# Altium PCB Arribada-PMP-PCB.PcbDoc (part 3 of 4) (continued)
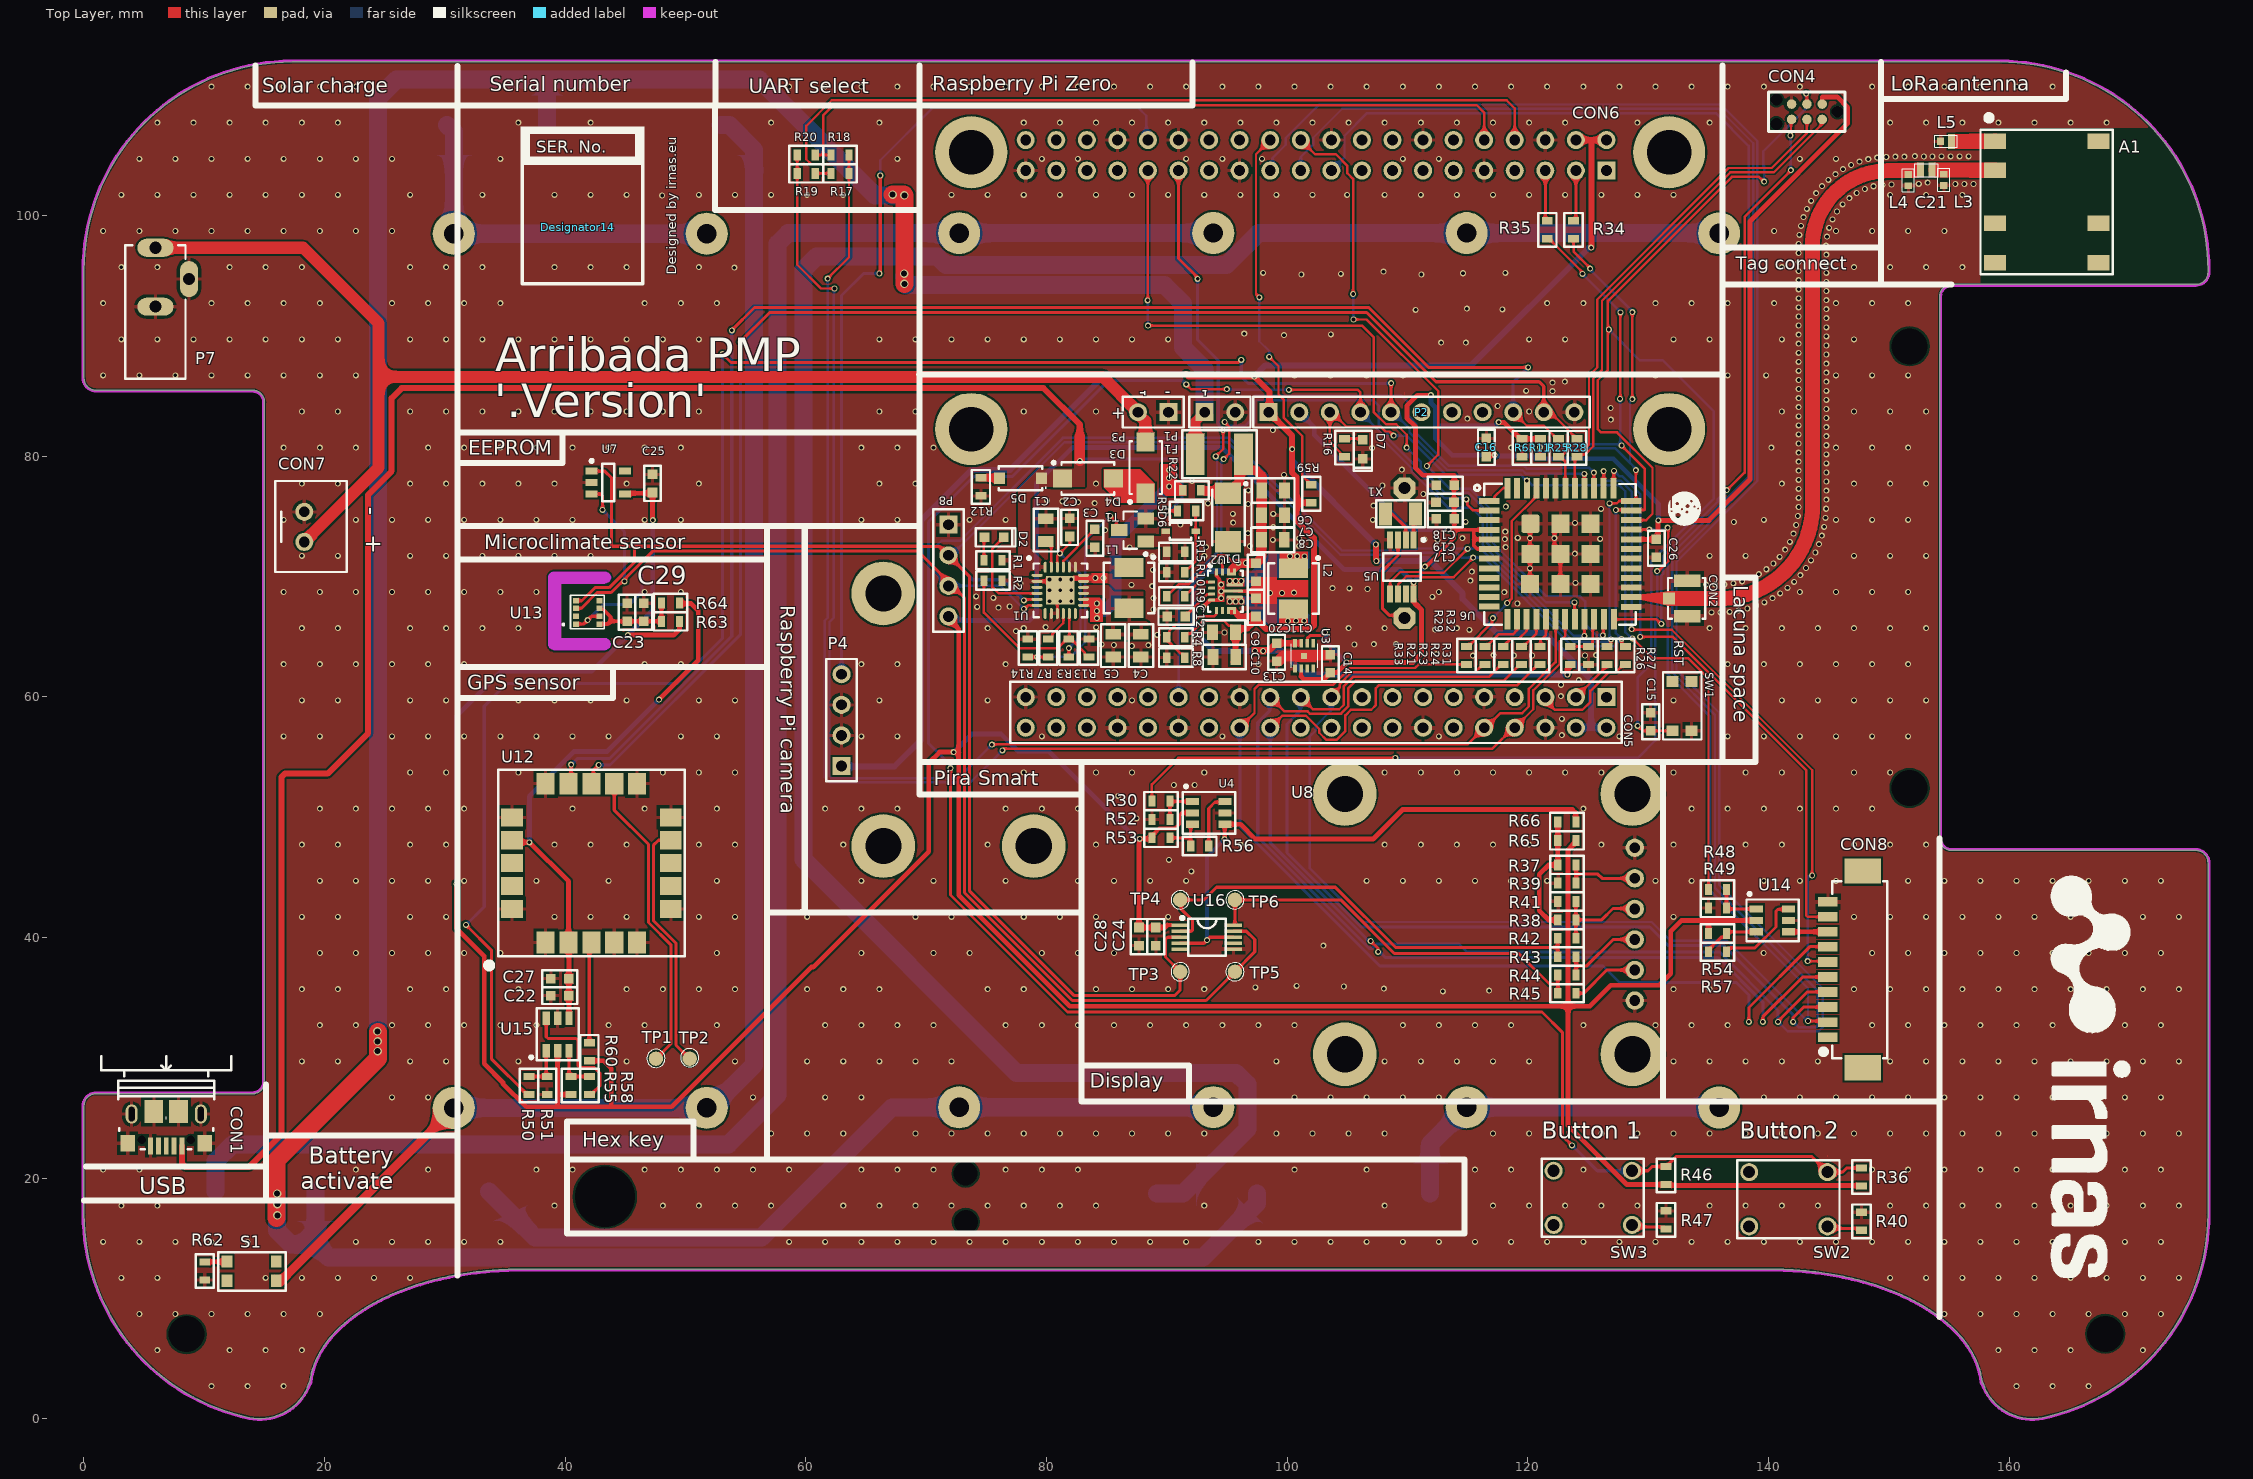
[diagram p0: Top Layer view]
## Nets (pads, with @x,y where several pads share a name; then routed paths per layer and width w, separated by ;. In a path a pad name is that pad's centre, name@x,y a point inside that pad or via, vN(x,y) a via of type N, cw(c..) or ccw(c..) an arc to the next point about the centre after c; other vN are vias at no path point) (continued)
  Bottom Layer w0.254: v1(72.015,54.071) 72.015,54.3 70.186,56.129 70.186,74.545 73.96,78.319 77.17,78.319 85.152,86.302 91.265,86.302 v1(91.606,85.961) ; v1(123.665,22.721) 125.773,20.613 SW3.4@128.641,20.613
GPIO_PB5: P2.5 R50.2 U6.40 | length 160.3
  Top Layer w0.203: v1(124.687,78.521) 124.697,78.511 124.697,77.346 U6.40@124.707,77.336
  Top Layer w0.254: v1(31.746,41.041) 33.885,38.902 33.885,29.89 36.827,26.948 R50.2@36.977,26.948 ; v1(53.076,88.481) 53.778,87.779 95.953,87.779 v1(96.176,88.001) ; P2.5@108.617,83.651 108.626,83.66 108.626,86.052 v1(108.636,86.061)
  Bottom Layer w0.203: P2.5@108.797,83.651 110.156,82.292 110.156,81.98 113.297,78.839 119.532,78.839 119.85,78.521 v1(124.687,78.521)
  Bottom Layer w0.254: v1(31.746,41.041) 33.266,42.561 33.266,59.222 35.159,61.115 49.299,61.115 53.076,64.892 v1(53.076,88.481) ; v1(96.176,88.001) 96.176,86.611 96.746,86.041 108.615,86.041 v1(108.636,86.061)
GPIO_PH0: P2.3 R16.2 R48.2 U6.46 | length 69.1
  Top Layer w0.2: 134.888,61.638 135.006,61.52 R48.2@135.006,43.983
  Top Layer w0.203: P2.3@103.537,83.651 103.537,81.161 104.399,80.3 104.399,80.15 104.597,79.951 R16.2@104.747,79.951 ; P2.3@103.717,83.651 104.927,82.441 107.759,82.441 108.15,82.05 108.495,82.05 v1(108.842,81.704) ; v1(128.678,64.861) 130.324,63.216 133.311,63.216 134.888,61.638
  Bottom Layer w0.203: v1(108.842,81.704) 109.92,81.704 113.159,78.465 119.403,78.465 v1(119.907,77.961) 119.961,77.961 120.326,77.596 127.576,77.596 128.087,77.085 128.087,65.372 128.598,64.861 v1(128.678,64.861)
GPS_FET_OUT: C22.1 C27.2 R64.2 U12.2 U12.17 U15.4 | length 46
  Top Layer w0.4: U12.17@35.571,48.081 35.74,47.911 v1(37.016,47.911) 40.271,44.656 U12.2@40.271,39.581 40.3,39.552 C27.2@40.3,36.575 40.298,36.573 40.298,35.173 C22.1@40.296,35.171 40.306,35.161 40.306,33.291 U15.4@40.316,33.281 ; v1(47.785,59.771) 51.045,63.031 51.045,67.161 50.455,67.751 49.495,67.751 R64.2@49.495,67.791
  Bottom Layer w0.4: v1(37.016,47.911) 37.016,51.743 40.734,55.461 43.475,55.461 v1(47.785,59.771)
GPS_RX: P2.9 R25.2 U12.14 | length 122.8
  Top Layer w0.203: P2.9@118.777,83.651 119.907,82.521 121.324,82.521 122.404,81.441 R25.2@122.554,81.441
  Top Layer w0.254: U12.14@40.271,52.781 40.486,52.995 v1(40.486,54.361) ; v1(53.836,90.461) 55.724,92.35 106.775,92.35 111.744,87.381 v1(120.026,87.381)
  Bottom Layer w0.254: v1(40.486,54.361) 40.985,54.861 43.672,54.861 53.678,64.867 ; 53.717,64.911 53.836,65.029 v1(53.836,90.461) ; P2.9@118.777,83.651 118.777,86.132 v1(120.026,87.381)
GPS_TX: P2.10 R28.2 U12.13 | length 118.5
  Top Layer w0.203: P2.10@121.317,83.651 121.866,83.651 R28.2@124.076,81.441
  Top Layer w0.254: U12.13@42.171,52.781 42.329,52.939 42.329,53.885 v1(42.776,54.331) ; v1(54.546,89.501) 56.988,91.944 106.593,91.944 112.355,86.181 120.936,86.181 121.317,85.8 P2.10@121.317,83.651
  Bottom Layer w0.254: v1(42.776,54.331) 43.717,54.331 54.546,65.159 v1(54.546,89.501)
LACUNA_FET_OUT: CON8.8 U14.4 | length 3.3
  Top Layer w0.4: U14.4@141.666,40.471 141.668,40.469 144.923,40.469 CON8.8@144.926,40.466
LCD_FET_OUT: R66.2 U4.4 U16.4 U16.8 | length 46.4
  Top Layer w0.3: U16.4@91.125,39.525 93.075,39.525 v1(93.325,39.775) 93.575,40.025 U16.8@95.525,40.025 ; v1(94.8,48.175) 94.8,49.38 U4.4@94.825,49.405
  Top Layer w0.4: U4.4@94.825,49.405 96.12,49.405 97.35,48.175 107.125,48.175 109.575,50.625 123.7,50.625 123.95,50.375 123.95,49.626 R66.2@123.985,49.591
  Bottom Layer w0.3: v1(93.325,39.775) 93.325,46.7 v1(94.8,48.175)
LORA_ANT: C21.2 CON2.1 L4.2 U6.26 | length 50.1
  Top Layer w1.25: CON2.1@131.738,68.171 135.922,68.171 ccw(c135.922,75.895) 143.646,75.895 143.646,97.441 cw(c149.926,97.441) 149.926,103.721 150.71,103.734 152.295,103.76
MCU_nRST: C15.1 CON4.3 SW1.4 U6.34 | length 93.2
  Top Layer w0.203: U6.34@128.597,74.676 129.817,74.676 130.353,75.212 130.353,79.033 127.415,81.971 126.076,81.971 125.806,82.241 125.806,86.309 126.65,87.153 126.65,90.525 126.65,91.915 126.65,92.907 136.954,103.211 139.206,103.211 139.606,102.811 v1(139.627,102.811) ; v1(129.114,57.589) 129.114,57.561 129.5,57.175 C15.1@130.2,57.175 132.002,57.175 SW1.4@132.005,57.178 ; v1(143.125,110.131) 143.182,110.074 143.182,109.959 143.185,109.956 CON4.3@143.185,109.256
  Bottom Layer w0.203: v1(126.725,90.525) 129.293,87.957 131.218,87.957 135.425,83.75 135.425,76.45 130.233,71.258 130.233,62.733 129.114,61.614 v1(129.114,57.589) ; v1(139.627,102.811) 139.627,104.085 139.566,104.147 139.566,105.341 143.125,108.9 v1(143.125,110.131)
NetA1_1: A1.1 L5.2 | length 3.2
  Top Layer w1.25: 155.575,106.161 158.808,106.161 A1.1@158.815,106.168
NetA1_2: A1.2 C21.1 L3.2 | length 4.9
  Top Layer w1.25: 153.915,103.768 A1.2@158.815,103.768
NetC1_1: C1.1 U1.23 | length 2.4
  Top Layer w0.203: C1.1@79.937,72.901 80.038,72.901 80.387,72.553 U1.23@80.387,70.776
NetC2_1: C2.1 R3.2 U1.22 | length 12.7
  Top Layer w0.203: U1.22@80.887,70.776 80.887,71.711 v1(81.102,71.926) 81.937,72.761 C2.1@81.937,73.301 ; R3.2@81.837,63.301 81.847,63.311 v1(81.847,64.051)
  Bottom Layer w0.203: v1(81.102,71.926) 82.817,70.211 82.817,65.001 81.867,64.051 v1(81.847,64.051)
NetC3_1: C3.1 L1.1 U1.19 U1.20
NetC3_2: C3.2 U1.21 | length 4.2
  Top Layer w0.203: U1.21@81.387,70.776 81.392,70.782 81.392,71.297 83.698,73.603 83.738,73.603 C3.2@84.037,73.901
NetC4_1: C4.1 C5.1 L1.2 U1.15 U1.16
NetC12_2: C12.2 U2.3 | length 3
  Top Layer w0.203: C12.2@91.487,66.651 91.785,66.95 91.785,66.952 93.34,68.508 93.691,68.508 U2.3@93.714,68.531
NetC23_1: C23.1 C29.2 R63.2 R64.1 U13.6 U13.8 | length 8.4
  Top Layer w0.3: U13.8@42.83,66.046 43.54,66.046 43.765,66.271 ; U13.6@42.83,67.346 42.905,67.271 43.152,67.271 43.765,66.659 43.765,66.271 ; R64.1@47.995,67.791 R63.2@47.995,66.271 47.991,66.275 C29.2@46.525,66.275 46.523,66.273 45.138,66.273 C23.1@45.136,66.271 43.765,66.271
NetCON3_POS: CON3.POS U5.3 | length 8.4
  Top Layer w0.254: U5.3@109.202,73.041 109.202,71.746 107.897,70.441 107.897,67.356 108.488,66.765 109.216,66.765 109.44,66.541 CON3.POS@109.747,66.541
NetCON5_3: CON5.3 R26.1 | length 3.8
  Top Layer w0.203: CON5.3@123.985,59.968 126.567,62.55 R26.1@126.567,62.681
NetCON5_5: CON5.5 R27.1 | length 9.6
  Top Layer w0.203: CON5.5@121.445,59.968 121.445,59.689 122.214,58.92 124.532,58.92 125.187,59.575 125.187,60.489 126.753,62.055 127.321,62.055 127.947,62.681 R27.1@128.097,62.681
  Top Layer w0.254: CON5.5@121.775,60.175 CON5.5@121.775,60.478
NetCON6_3: CON6.3 R34.2 | length 4.3
  Top Layer w0.254: R34.2@123.793,99.562 123.811,99.562 123.984,99.735 CON6.3@123.984,103.731
NetCON6_5: CON6.5 R35.2 | length 4.2
  Top Layer w0.254: CON6.5@121.444,103.731 121.444,99.732 R35.2@121.613,99.562
NetCON6_24: CON6.24 R59.1 | length 31
  Top Layer w0.2: v1(97.675,93.2) 97.4,93.475 97.4,105.088 CON6.24@98.584,106.271 ; v1(98.5,88.25) 99.275,87.475 99.275,85.125 99.7,84.7 99.7,83.225 101.25,81.675 101.25,78.375 R59.1@102,77.625
  Bottom Layer w0.2: v1(97.675,93.2) 97.675,89.55 98.5,88.725 v1(98.5,88.25)
NetD2_1: D2.1 U1.4 | length 8.5
  Top Layer w0.203: D2.1@76.437,73.251 75.497,72.311 75.497,69.111 76.007,68.601 U1.4@79.212,68.601
NetD2_2: D2.2 R1.2 | length 1.9
  Top Layer w0.203: R1.2@74.787,71.351 74.787,73.201 D2.2@74.837,73.251
NetD3_1: D3.1 D4.2
NetD5_2: D5.2 R12.2 | length 1.5
  Top Layer w0.635: R12.2@74.467,78.211 D5.2@75.967,78.211
NetD6_1: D6.1 R5.1 R10.2 | length 5.6
  Top Layer w0.203: R10.2@91.487,70.351 91.487,70.501 91.685,70.7 91.835,70.7 92.387,71.251 D6.1@92.387,73.751 R5.1@92.387,75.451
NetD6_2: D6.2 R15.2 T1.1
NetD7_2: D7.2 R16.1 | length 1.6
  Top Layer w0.203: R16.1@104.747,81.451 106.197,81.451 D7.2@106.277,81.371
NetL2_1: L2.1 U2.11
  other v1: 95.232,69.621 95.707,69.621 96.182,69.621 101.437,71.671 100.227,71.691 100.817,71.681
NetL2_2: L2.2 U2.9
  other v1: 100.047,66.301 100.727,66.311 101.397,66.311 95.232,67.921 95.707,67.921 96.182,67.921
NetP5_1: P5.1 P6.1 U9.1 | length 185.1
  Bottom Layer w1.5: U9.1@89.176,18.736 91.35,18.736 96.685,24.071 96.685,27.801 95.735,28.751 77.505,28.751 59.786,46.471 59.786,95.502 60.883,96.599 70.915,96.599 71.635,95.879 73.832,95.879 73.84,95.888 94.95,95.888 97.598,98.535 P5.1@114.908,98.535 114.916,98.527 135.886,98.527 P6.1@135.895,98.518
NetP5_2: P5.2 P6.2 U9.4 | length 29.4
  Bottom Layer w1.5: U9.4@111.876,18.736 111.855,18.757 111.855,22.838 P5.2@114.908,25.891 114.916,25.883 135.886,25.883 P6.2@135.895,25.874
NetP9_1: P9.1 P10.1 U10.1 | length 158.8
  Bottom Layer w1.5: U10.1@10.95,18.89 10.95,21.407 12.344,22.801 53.545,22.801 57.65,26.906 57.65,97.653 58.529,98.531 P9.1@72.733,98.531 72.737,98.536 93.847,98.536 P10.1@93.851,98.54
NetP9_2: P9.2 P10.2 U10.4 | length 66.3
  Bottom Layer w1.5: U10.4@33.65,18.89 37.491,15.049 56.31,15.049 67.149,25.887 P9.2@72.733,25.887 72.738,25.892 93.847,25.892 P10.2@93.851,25.896
NetP11_1: P11.1 P12.1 U11.1 | length 30.3
  Bottom Layer w1.5: U11.1@30.186,107.517 30.733,106.969 P11.1@30.733,98.481 30.735,98.483 41.246,98.483 51.756,98.483 P12.1@51.758,98.485
NetP11_2: P11.2 P12.2 S1.1 U11.4 | length 125.7
  Top Layer w0.7: S1.1@15.983,11.471 16.367,11.471 P11.2@30.733,25.837
  Bottom Layer w1.5: P11.2@30.733,25.837 30.735,25.839 P12.2@51.756,25.839 ; P12.2@52.652,26.381 55.682,29.412 55.682,86.461 55.701,86.479 55.701,105.452 53.636,107.517 U11.4@52.886,107.517
NetR2_2: R2.2 R3.1 R13.2 U1.11 | length 15.8
  Top Layer w0.203: R2.2@74.787,69.651 74.787,67.001 77.737,64.051 80.937,64.051 81.687,64.801 R3.1@81.837,64.801 R3.1@81.887,64.851 ; U1.11@81.887,66.926 R3.1@81.887,64.851 ; R13.2@83.537,63.301 83.387,63.301 83.188,63.5 83.188,63.65 82.235,64.603 82.135,64.603 R3.1@81.887,64.851
NetR4_1: R4.1 R8.2 U2.5 | length 7.8
  Top Layer w0.203: R8.2@91.487,63.251 91.487,63.401 91.288,63.6 91.138,63.6 90.185,64.553 90.185,64.753 R4.1@89.987,64.951 90.185,65.15 90.185,65.45 90.707,65.971 92.017,65.971 92.747,66.701 93.947,66.701 94.114,66.869 U2.5@94.114,67.181
NetR7_1: R7.1 R14.2 T1.3 | length 19.1
  Top Layer w0.203: R14.2@78.437,63.301 R7.1@80.137,63.301 ; v1(85.287,75.041) 85.791,74.537 85.791,74.097 T1.3@86.037,73.851
  Bottom Layer w0.203: v1(79.217,63.321) 79.197,63.321 79.207,63.311 81.997,63.311 83.217,64.531 83.217,72.971 v1(85.287,75.041)
NetR7_2: R7.2 U1.10 | length 2.7
  Top Layer w0.203: R7.2@80.137,64.801 80.285,64.801 80.484,65 80.484,65.228 81.387,66.131 U1.10@81.387,66.926
NetR9_2: R9.2 U2.1 | length 2.8
  Top Layer w0.203: R9.2@91.487,68.351 91.487,68.501 91.685,68.7 91.835,68.7 92.667,69.531 U2.1@93.714,69.531
NetR22_1: R22.1 U1.13 U1.14 | length 13.2
  Bottom Layer w1: v1(84.177,67.131) 84.807,67.131 85.707,68.031 85.707,73.001 v1(90.187,77.481)
  other v1: 84.177,66.531 84.177,67.751 90.167,78.171 90.177,78.861
NetR29_1: R29.1 R32.2 U6.22 | length 4
  Top Layer w0.203: R29.1@123.517,64.181 R32.2@125.037,64.181 125.187,64.181 125.385,64.38 125.385,66.318 U6.22@125.499,66.431
NetR30_1: R30.1 R52.1 U4.1 | length 3.4
  Top Layer w0.254: R52.1@90.25,49.805 R30.1@90.25,51.33 90.275,51.305 U4.1@92.125,51.305
NetR37_1: R37.1 R38.1 R65.1 R66.1 | length 10.3
  Top Layer w0.4: R66.1@122.485,49.591 R65.1@122.485,48.071 122.486,48.07 R37.1@122.487,46.033 R37.1@122.487,46.033 122.477,46.023 121.719,46.023 120.945,45.249 120.945,42.225 121.719,41.451 122.475,41.451 R38.1@122.487,41.463
NetR37_2: R37.2 R39.2 U8.2 | length 6.6
  Top Layer w0.254: R39.2@123.987,44.513 123.987,45.266 ; R37.2@123.987,46.033 123.987,45.266 ; U8.2@128.882,44.914 126.165,44.914 125.813,45.266 123.987,45.266
NetR38_2: R38.2 R41.2 R42.2 U8.3 | length 8.3
  Top Layer w0.254: R42.2@123.987,39.933 R38.2@123.987,41.463 ; R41.2@123.987,42.983 R38.2@123.987,41.463 ; U8.3@128.882,42.374 128.847,42.408 127.068,42.408 126.123,41.463 R38.2@123.987,41.463
NetR40_1: R40.1 SW2.1 | length 3
  Top Layer w0.254: SW2.1@144.891,15.993 145.056,15.828 147.556,15.828 R40.1@147.721,15.663
NetR43_2: R43.2 R44.2 U8.4 | length 7.5
  Top Layer w0.254: R44.2@123.987,36.883 123.987,37.643 ; R43.2@123.987,38.553 R43.2@123.987,38.403 123.987,37.643 ; U8.4@128.882,39.834 127.082,39.834 124.892,37.643 123.987,37.643
NetR45_2: R45.2 U8.5 | length 5.7
  Top Layer w0.254: R45.2@123.987,35.363 124.631,35.363 126.561,37.294 U8.5@128.882,37.294
NetR47_1: R47.1 SW3.1 | length 3
  Top Layer w0.254: SW3.1@128.641,16.113 128.806,15.948 131.316,15.948 R47.1@131.481,15.783
NetR48_1: R48.1 R49.1 U14.1 | length 4
  Top Layer w0.254: R49.1@136.506,42.461 136.596,42.371 U14.1@138.966,42.371 ; R49.1@136.506,42.461 R48.1@136.506,43.983
NetR50_1: R50.1 R51.1 U15.1 | length 3.7
  Top Layer w0.254: R50.1@36.977,28.448 R51.1@38.495,28.448 38.416,28.528 U15.1@38.416,30.581
NetR53_1: R53.1 R56.2 U4.3 | length 3.6
  Top Layer w0.254: R53.1@90.25,48.28 91.942,48.28 91.955,48.292 ; R56.2@91.975,47.605 91.975,49.255 U4.3@92.125,49.405
NetR54_1: R54.1 R57.2 U14.3 | length 4.8
  Top Layer w0.254: R57.2@135.006,38.811 135.006,38.961 136.063,40.018 136.333,40.018 136.506,40.191 R54.1@136.506,40.341 136.636,40.471 U14.3@138.966,40.471
NetR55_1: R55.1 R58.2 U15.3 | length 3.7
  Top Layer w0.254: U15.3@40.316,30.581 40.316,28.614 R55.1@40.482,28.448 R58.2@42.005,28.448
NetR56_1: R56.1 U4.6 | length 4.7
  Top Layer w0.254: R56.1@93.475,47.605 93.475,50.725 94,51.25 94.77,51.25 U4.6@94.825,51.305
NetR57_1: R57.1 U14.6 | length 7.5
  Top Layer w0.254: R57.1@136.506,38.811 136.506,38.961 136.679,39.134 138.874,39.134 140.616,40.876 140.616,42.181 140.776,42.341 141.636,42.341 U14.6@141.666,42.371
NetR58_1: R58.1 U15.6 | length 10.7
  Top Layer w0.254: U15.6@38.416,33.281 38.416,31.749 38.564,31.6 40.901,31.6 41.05,31.451 41.05,29.319 41.199,29.171 42.428,29.171 42.9,28.699 42.9,27.693 42.155,26.948 R58.1@42.005,26.948
NetR60_2: R60.2 U12.3 | length 8.5
  Top Layer w0.3: R60.2@42,31.25 42,39.41 U12.3@42.171,39.581
  Top Layer w0.4: U12.3@42.171,39.581 U12.3@42.265,39.486
NetR62_1: R62.1 S1.4 | length 1.9
  Top Layer w0.4: R62.1@10.055,13.011 R62.1@10.035,13.031 10.055,13.051 11.863,13.051 S1.4@11.883,13.071 S1.4@11.863,13.091
NetTP1_0: TP1.0 U12.12 | length 25.3
  Top Layer w0.254: U12.12@44.071,52.781 44.071,50.576 46.909,47.738 46.909,41.238 48.796,39.351 48.796,31.181 TP1.0@47.536,29.921
NetTP2_0: TP2.0 U12.9 | length 20.6
  Top Layer w0.254: U12.9@48.771,48.081 47.745,48.081 47.316,47.651 47.316,41.406 49.202,39.519 49.202,31.055 TP2.0@50.336,29.921
NetU5_1: U5.1 X1.2 | length 2.2
  Top Layer w0.254: U5.1@110.502,73.041 110.502,75.016 X1.2@110.667,75.181
NetU5_2: U5.2 X1.1 | length 3.2
  Top Layer w0.254: X1.1@108.167,75.181 108.743,75.181 109.838,74.086 109.838,73.055 U5.2@109.852,73.041
NetU6_1: U6.1 U6.48 | length 2.1
  Top Layer w0.203: U6.1@116.797,76.286 117.084,76.286 117.232,76.435 117.232,76.638 117.931,77.336 U6.48@118.297,77.336
RXD: CON5.10 R19.2 R20.1 U6.18 | length 122.5
  Top Layer w0.2: R20.1@59.275,105.025 R19.2@59.275,103.5 59.275,95.9 61.245,93.93 v1(62.37,93.93) ; v1(75.45,56.025) 75.475,56.05 114.987,56.05 CON5.10@116.365,57.428 116.506,57.428 117.728,58.65 119.525,58.65 120.073,59.198 120.073,60.657 122.299,62.883 U6.18@122.299,66.431
  Bottom Layer w0.2: v1(62.37,93.93) 62.327,93.887 62.327,66.596 61.96,66.228 61.96,53.399 62.118,53.24 72.665,53.24 v1(75.45,56.025)
RXD_RPI: CON6.10 R18.2 R20.2 | length 62.4
  Top Layer w0.2: R20.2@60.775,105.025 61.425,105.025 ; R18.2@62.075,105.025 61.425,105.025 ; CON6.10@116.364,106.271 116.364,108.561 115.75,109.175 62.3,109.175 61.425,108.3 61.425,105.025
RXEN: CON8.9 U6.37 | length 48.6
  Top Layer w0.2: v1(129.331,64.978) 132.048,64.978 143.123,53.904 143.123,41.833 143.24,41.716 CON8.9@144.926,41.716
  Top Layer w0.254: U6.37@127.107,77.336 127.128,77.358 127.128,78.753 v1(127.15,78.775)
  Bottom Layer w0.2: v1(127.15,78.775) 127.61,78.315 127.856,78.315 129.331,76.84 v1(129.331,64.978)
SCL: P8.2 R11.1 R27.2 R35.1 TP3.0 U1.5 U5.6 U6.35 U7.1 U13.4 U16.3 | length 231.2
  Top Layer w0.203: v1(78.117,68.011) 78.207,68.101 U1.5@79.212,68.101 ; U5.6@109.202,68.541 109.202,69.318 109.899,70.015 111.018,70.015 111.081,69.952 113.837,69.952 v1(115.453,71.567) ; R11.1@120.997,79.979 v1(120.997,80.739) ; R35.1@121.613,98.062 121.763,98.062 124.478,95.347 124.478,95.208 v1(124.535,95.151) ; v1(127.306,75.529) 127.315,75.538 129.701,75.538 129.701,78.966 v1(127.781,80.886) ; v1(127.656,84.761) 127.677,84.782 127.677,91.923 v1(127.698,91.944) ; v1(127.776,64.811) 127.776,64.38 127.974,64.181 R27.2@128.097,64.181
  Top Layer w0.254: U13.4@40.89,67.996 41.39,67.996 42.465,69.071 43.646,69.071 45.744,71.168 45.744,72.472 45.725,72.491 ; U7.1@42.195,78.756 42.2,78.751 43.285,78.751 43.855,78.181 43.855,72.511 69.48,72.511 69.5,72.491 71.107,72.491 P8.2@71.837,71.761 73.582,70.016 73.582,43.893 82.308,35.167 90.625,35.167 91.1,35.642 TP3.0@91.1,37.15 89.875,38.375 89.875,39.825 90.075,40.025 U16.3@91.125,40.025
  Bottom Layer w0.203: P8.2@71.837,71.761 72.099,71.761 81.504,81.166 95.037,81.166 104.401,71.802 110.792,71.802 110.958,71.968 114.089,71.968 114.489,71.567 v1(115.453,71.567) 116.302,71.567 123.665,64.204 127.168,64.204 v1(127.776,64.811) 127.306,65.281 v1(127.306,75.529) ; v1(120.997,80.739) 121.085,80.739 121.344,80.998 127.656,80.998 v1(127.656,84.761) ; v1(124.535,95.151) 124.535,95.142 127.698,91.979 v1(127.698,91.944) ; v1(127.781,80.886) v1@127.894,80.773
  Bottom Layer w0.3: P8.2@71.837,71.761 73.858,69.74 76.388,69.74 v1(78.117,68.011)
SCL_LCD: R42.1 R43.1 TP4.0 U16.2 | length 39.4
  Top Layer w0.254: U16.2@91.125,40.525 92.025,40.525 92.142,40.642 92.142,41.408 91.202,42.348 91.202,43.023 TP4.0@91.1,43.125 91.202,43.125 93.073,43.125 94.123,44.175 104,44.175 109.007,39.168 122.487,39.168 ; R43.1@122.487,38.403 122.487,39.168 ; R42.1@122.487,39.933 122.487,39.168
SDA: P8.3 R6.1 R26.2 R34.1 TP5.0 U1.6 U5.5 U6.36 U7.3 U13.3 U16.9 | length 238.2
  Top Layer w0.203: v1(78.117,67.311) 78.197,67.311 78.478,67.592 79.203,67.592 U1.6@79.212,67.601 ; U5.5@108.552,68.541 108.555,68.544 108.555,69.531 109.394,70.37 111.165,70.37 111.228,70.307 113.002,70.307 v1(114.986,72.291) ; R6.1@119.514,79.941 v1(119.514,80.651) ; R34.1@123.793,98.062 123.793,97.014 125.165,95.642 v1(125.165,95.576) ; R26.2@126.567,64.181 126.707,64.181 126.906,64.38 v1(126.906,64.771) ; v1(126.781,76.079) 127.383,76.079 127.59,76.286 U6.36@127.938,76.286 ; U6.36@128.597,76.286 128.828,76.286 128.977,76.435 v1(128.977,78.839) ; v1(128.676,84.741) v1(128.676,91.962)
  Top Layer w0.254: U13.3@40.89,67.346 41.315,67.346 42.633,68.665 43.815,68.665 46.921,71.771 46.935,71.771 47.269,72.105 69.311,72.105 71.837,69.58 P8.3@71.837,69.221 72.174,69.221 73.176,68.219 73.176,43.725 82.14,34.761 93.261,34.761 TP5.0@95.65,37.15 97.3,38.8 97.3,39.825 96.6,40.525 U16.9@95.525,40.525 ; U7.3@42.195,76.856 42.911,76.856 43.095,76.672 v1(43.095,75.541)
  Bottom Layer w0.203: v1(78.117,67.311) 78.104,67.311 76.194,69.221 P8.3@71.837,69.221 70.567,70.491 70.567,72.261 71.277,72.971 72.807,72.971 81.357,81.522 95.184,81.522 104.549,72.157 110.645,72.157 110.811,72.323 116.049,72.323 123.812,64.559 126.614,64.559 126.825,64.771 v1(126.906,64.771) 126.906,64.852 126.781,64.976 v1(126.781,76.079) ; v1(119.514,80.651) 120.364,80.651 120.781,80.235 121.309,80.235 121.717,80.643 127.273,80.643 128.483,79.433 ; v1(125.165,95.576) 125.165,95.524 128.676,92.014 v1(128.676,91.962) ; v1(128.676,84.741) 128.483,84.548 128.483,79.433 ; v1(128.977,78.839) 128.92,78.896 128.92,78.996 128.5,79.416 128.483,79.433
  Bottom Layer w0.254: v1(43.095,75.541) 44.925,73.711 v1(44.925,69.601)
SDA_LCD: R44.1 R45.1 TP6.0 U16.10 | length 33.5
  Top Layer w0.254: U16.10@95.525,41.025 95.6,41.025 95.65,41.075 TP6.0@95.65,43.125 104.45,43.125 108.9,38.675 119.25,38.675 121.8,36.125 122.485,36.125 122.487,36.123 ; R45.1@122.487,35.363 122.487,36.123 ; R44.1@122.487,36.883 122.487,36.123
SPI_MISO: R23.2 U6.15 | length 3.4
  Top Layer w0.203: R23.2@117.949,64.191 118.594,64.836 119.258,64.836 119.899,65.476 U6.15@119.899,66.431
SPI_MISO*: CON5.21 CON6.21 CON8.3 R23.1 | length 210.3
  Top Layer w0.203: CON5.21@101.125,59.968 102.129,58.964 104.324,58.964 104.7,59.34 104.7,60.889 105.494,61.683 116.792,61.683 117.799,62.691 R23.1@117.949,62.691
  Top Layer w0.254: v1@142.046,32.901 v1(142.046,32.991) 142.046,33.342 142.921,34.216 CON8.3@144.926,34.216
  Bottom Layer w0.2: CON6.21@101.124,103.731 101.124,104.854 102.161,105.891 102.161,106.461 104.573,108.873 135.852,108.873 138.723,106.002 138.723,78.096 131.998,71.371 131.998,62.039 135.55,58.487 135.55,44.1 144.1,35.55 144.1,32.67 143.983,32.552 142.485,32.552 v1(142.046,32.991)
  Bottom Layer w0.254: CON5.21@101.125,59.968 101.078,59.921 101.078,58.837 99.986,57.745 99.986,47.051 106.161,40.875 130.117,40.875 131.657,39.335 136.272,39.335 142.046,33.56 v1(142.046,32.991)
SPI_MOSI: R21.2 U6.14 | length 4.1
  Top Layer w0.203: R21.2@116.419,64.191 116.569,64.191 117.569,65.191 118.745,65.191 119.099,65.545 U6.14@119.099,66.431
SPI_MOSI*: CON5.19 CON6.19 CON8.2 R21.1 | length 196.7
  Top Layer w0.203: CON5.19@103.665,59.968 103.665,60.1 104.345,60.78 104.345,61.036 105.347,62.039 115.617,62.039 116.269,62.691 R21.1@116.419,62.691
  Top Layer w0.254: v1(143.276,33.055) 144.837,33.055 CON8.2@144.926,32.966
  Bottom Layer w0.2: CON5.19@103.665,59.968 103.618,59.921 103.618,58.837 102.365,57.584 102.365,57.212 101.852,56.7 101.852,45.759 106.329,41.281 130.285,41.281 131.826,39.741 136.526,39.741 143.276,32.991 143.276,35.774 135.1,43.95 135.1,58.4 131.618,61.882 131.618,71.528 138.343,78.253 138.343,99.711 138.343,105.782 135.621,108.504 106.629,108.504 104.756,106.631 104.756,104.824 CON6.19@103.664,103.731
SPI_NSS: R31.1 U6.17 | length 2.5
  Top Layer w0.203: R31.1@120.999,64.191 121.057,64.248 121.057,64.701 121.499,65.143 U6.17@121.499,66.431 U6.17@121.472,66.458
SPI_NSS*: CON5.24 CON8.5 R31.2 | length 92.8
  Top Layer w0.203: CON5.24@98.585,57.428 99.589,58.432 101.541,58.432 102.661,57.312 102.661,57.012 103.249,56.424 104.081,56.424 104.827,57.17 104.827,58.461 105.286,58.92 106.976,58.92 107.367,59.311 107.367,60.714 107.625,60.972 119.13,60.972 120.849,62.691 R31.2@120.999,62.691
  Top Layer w0.254: v1(106.925,39.71) 107.555,39.08 v1(107.555,38.802) ; v1@139.526,33.131 139.526,33.401 142.841,36.716 CON8.5@144.926,36.716
  Bottom Layer w0.254: CON5.24@98.585,57.428 98.585,47.877 106.704,39.757 106.878,39.757 v1(106.925,39.71) ; v1(107.555,38.802) 107.679,38.802 108.146,38.335 135.812,38.335 139.526,34.621 v1(139.526,32.991)
SPI_SCK: R24.2 U6.16 | length 2.8
  Top Layer w0.203: R24.2@119.479,64.191 119.629,64.191 120.699,65.26 U6.16@120.699,66.431
SPI_SCK*: CON5.23 CON6.23 CON8.4 R24.1 | length 222.2
  Top Layer w0.203: CON5.23@98.585,59.968 99.765,58.788 101.688,58.788 101.867,58.608 104.471,58.608 105.056,59.193 105.056,60.696 105.687,61.328 117.966,61.328 119.329,62.691 R24.1@119.479,62.691
  Top Layer w0.254: v1@140.786,33.031 143.236,35.481 144.911,35.481 CON8.4@144.926,35.466
  Bottom Layer w0.2: CON5.23@98.538,59.921 CON5.23@98.585,59.968 ; CON6.23@98.584,103.731 98.781,103.929 98.781,104.781 99.875,105.875 99.875,106.44 102.66,109.225 136.025,109.225 139.075,106.175 139.075,77.95 132.35,71.225 132.35,62.225 135.902,58.673 135.902,44.373 144.5,35.775 144.5,32.55 144.15,32.2 141.577,32.2 v1(140.786,32.991)
  Bottom Layer w0.254: CON5.23@98.538,59.921 98.538,58.837 97.546,57.845 97.546,48.341 106.787,39.1 107.064,39.1 107.414,39.45 114.275,39.45 114.932,38.792 135.929,38.792 140.786,33.936 v1(140.786,32.991)
SWCLK: CON4.4 R25.1 U6.42 | length 42.3
  Top Layer w0.203: R25.1@122.554,79.941 R25.1@122.704,79.941 ; U6.42@123.107,77.336 123.107,79.539 R25.1@122.704,79.941 ; CON4.4@143.185,107.986 143.185,106.866 140.266,103.947 136.684,103.947 125.757,93.02 125.757,87.37 125.076,86.689 125.076,82.122 125.076,80.97 124.6,80.495 123.521,80.495 123.258,80.495 R25.1@122.704,79.941
SWDIO: CON4.2 R28.1 U6.41 | length 41.7
  Top Layer w0.203: U6.41@123.907,77.336 123.907,79.772 R28.1@124.076,79.941 124.076,80.14 124.748,80.14 125.431,80.823 125.431,86.437 126.156,87.161 126.156,92.916 136.831,103.591 140.445,103.591 144.455,107.601 CON4.2@144.455,107.986
TXD: CON5.8 R17.1 R18.1 U6.19 | length 122.7
  Top Layer w0.2: v1(61.8,94.75) 63.575,96.525 R17.1@63.575,103.5 R18.1@63.575,105.025 ; v1(76.325,55.548) 76.325,55.58 76.442,55.698 117.048,55.698 118.778,57.428 CON5.8@118.905,57.428 120.442,58.966 120.442,60.529 122.651,62.737 122.651,64.617 123.099,65.065 U6.19@123.099,66.431
  Bottom Layer w0.2: v1(61.8,94.75) 61.8,66.567 61.55,66.317 61.55,53.31 61.973,52.887 72.811,52.887 72.823,52.9 73.677,52.9 v1(76.325,55.548)
TXD_RPI: CON6.8 R17.2 R19.1 | length 69
  Top Layer w0.2: R19.1@60.775,103.5 61.425,103.5 ; R17.2@62.075,103.5 61.425,103.5 ; CON6.8@118.904,106.271 118.9,106.275 118.9,108.9 118.225,109.575 62.15,109.575 60.025,107.45 60.025,104.668 60.418,104.275 61.275,104.275 61.45,104.1 61.45,103.525 61.425,103.5
V_SOLAR: CON7.1 D3.2 P3.2 P7.1 | length 108.9
  Top Layer w1: P7.1@5.935,97.318 18.214,97.318 24.491,91.042 24.491,86.593 ; CON7.1@18.309,72.873 24.491,79.054 24.491,86.593 ; D3.2@88.237,81.176 88.204,81.208 88.204,82.908 87.597,83.516 P3.2@87.597,83.651 84.655,86.593 24.491,86.593
VBAT: C6.2 C7.2 C8.2 C13.2 C20.2 D1.1 F1.1 R9.1 R22.2 R29.2 U2.12 U2.13 U3.7 U3.8 | length 71.8
  Top Layer w0.203: R9.1@89.987,68.351 89.987,68.501 90.185,68.7 90.335,68.7 90.977,69.341 91.787,69.341 94.201,71.755 94.895,71.755 95.554,71.096 v1@95.952,71.096 ; R29.2@123.328,62.671 123.417,62.582 R29.2@123.517,62.681
  Top Layer w0.5: R22.2@92.817,77.161 R22.2@92.817,77.311 ; 95.842,78.401 F1.1@95.842,79.479 ; v1(97.997,63.811) 97.997,63.871 98.519,63.871 C13.2@99.112,64.463 99.118,64.457 U3.7@101.047,64.457 ; v1(123.277,61.853) 123.277,62.292 123.492,62.508 R29.2@123.417,62.582
  Top Layer w0.75: R22.2@93.105,77.091 93.11,77.086 94.872,77.086 D1.1@95.057,76.901
  Top Layer w0.8: D1.1@95.057,76.901 95.247,76.901 95.737,77.391 95.737,77.581 96.038,77.883 96.038,79.823 F1.1@96.367,80.151 ; 95.427,70.571 95.952,71.096 C20.2@97.402,71.096 97.847,71.541 C8.2@97.847,73.041 97.857,73.051 C7.2@97.857,75.091 97.877,75.111 C6.2@97.877,77.141 97.877,78.357 97.408,78.826 96.742,78.826 F1.1@96.367,79.201
  Bottom Layer w0.5: v1(95.937,71.131) 95.267,70.461 93.352,70.461 92.227,69.335 92.227,65.461 93.537,64.151 93.567,64.181 93.937,63.811 v1(97.997,63.811) 99.527,63.811 101.485,61.853 v1(123.277,61.853)
  other v1: 97.316,63.821 96.567,71.121
VBUS: CON1.1 D4.1 D5.1 R1.1 R5.2 U1.1 U1.24 | length 154.2
  Top Layer w0.254: v1(89.957,75.441) 89.967,75.451 R5.2@90.887,75.451
  Top Layer w0.5: CON1.1@8.135,22.676 8.135,21.226 8.428,20.933 13.727,20.933 16.405,23.611 16.405,53.318 16.698,53.611 20.255,53.611 23.615,56.971 23.615,76.786 25.575,78.746 25.575,84.825 26.404,85.654 79.028,85.654 79.743,85.654 82.757,82.64 82.757,81.651
  Top Layer w0.9: v1(82.757,79.611) 82.757,81.651
  Bottom Layer w0.254: v1(82.757,79.611) 82.917,79.771 91.077,79.771 91.247,79.601 91.247,76.481 90.207,75.441 v1(89.957,75.441)
pads on no net: A1.3 A1.4 A1.5 A1.6 A1.7 CON1. CON1.2 CON1.3 CON1.4 CON4.0 CON5.1 CON5.7 CON5.11 CON5.12 CON5.13 CON5.15 CON5.16 CON5.17 CON5.18 CON5.22 CON5.27 CON5.28 CON5.31 CON5.32 CON5.33 CON5.35 CON5.36 CON5.37 CON5.38 CON5.40 CON6.1 CON6.7 CON6.11 CON6.12 CON6.13 CON6.15 CON6.16 CON6.17 CON6.18 CON6.26 CON6.27 CON6.28 CON6.33 CON6.35 CON6.36 CON6.37 CON6.38 CON6.40 CON8. CON8.1 P2.6 P2.7 P2.8 S1.2 S1.3 SW1.2 SW1.3 SW2.2 SW2.3 SW3.2 SW3.3 U1.3 U1.7 U1.12 U2.2 U2.6 U3.3 U3.4 U3.5 U5.7 U6.8 U6.9 U6.10 U6.11 U6.12 U6.13 U6.28 U6.29 U6.30 U6.31 U6.47 U7.5 U12.7 U12.8 U12.18 U12.19 U13.2 U13.5 U16.5 U16.7
copper on no net: | length 0.1
  Top Layer w0.254: 144.926,31.716 144.991,31.651
  other v1: 114.832,74.547 118.16,75.808

## Polygon pours and split planes (outlines as drawn)
GND on Top Layer "Top Layer-GND" (solid, remove dead copper, pour order 46): 535 vertices, not listed, extent 0.099,0.079 176.619,112.825
NetD6_2 on Top Layer "NetD6_2" (solid, remove dead copper, pour order 42): 90.237,71.351 90.237,73.951 89.537,73.951 89.537,73.351 87.637,73.351 87.637,72.451 89.637,72.451 89.637,71.351
NetC4_1 on Top Layer "NetC4_1" (solid, remove dead copper, pour order 40): 83.062,68.481 84.607,68.481 84.837,68.251 84.937,68.151 84.937,64.751 88.437,64.751 88.437,66.151 88.037,66.551 88.037,68.751 85.637,68.751 85.137,69.251 83.062,69.251